# KiCad board poly_kb_wave_left.kicad_pcb (continued)
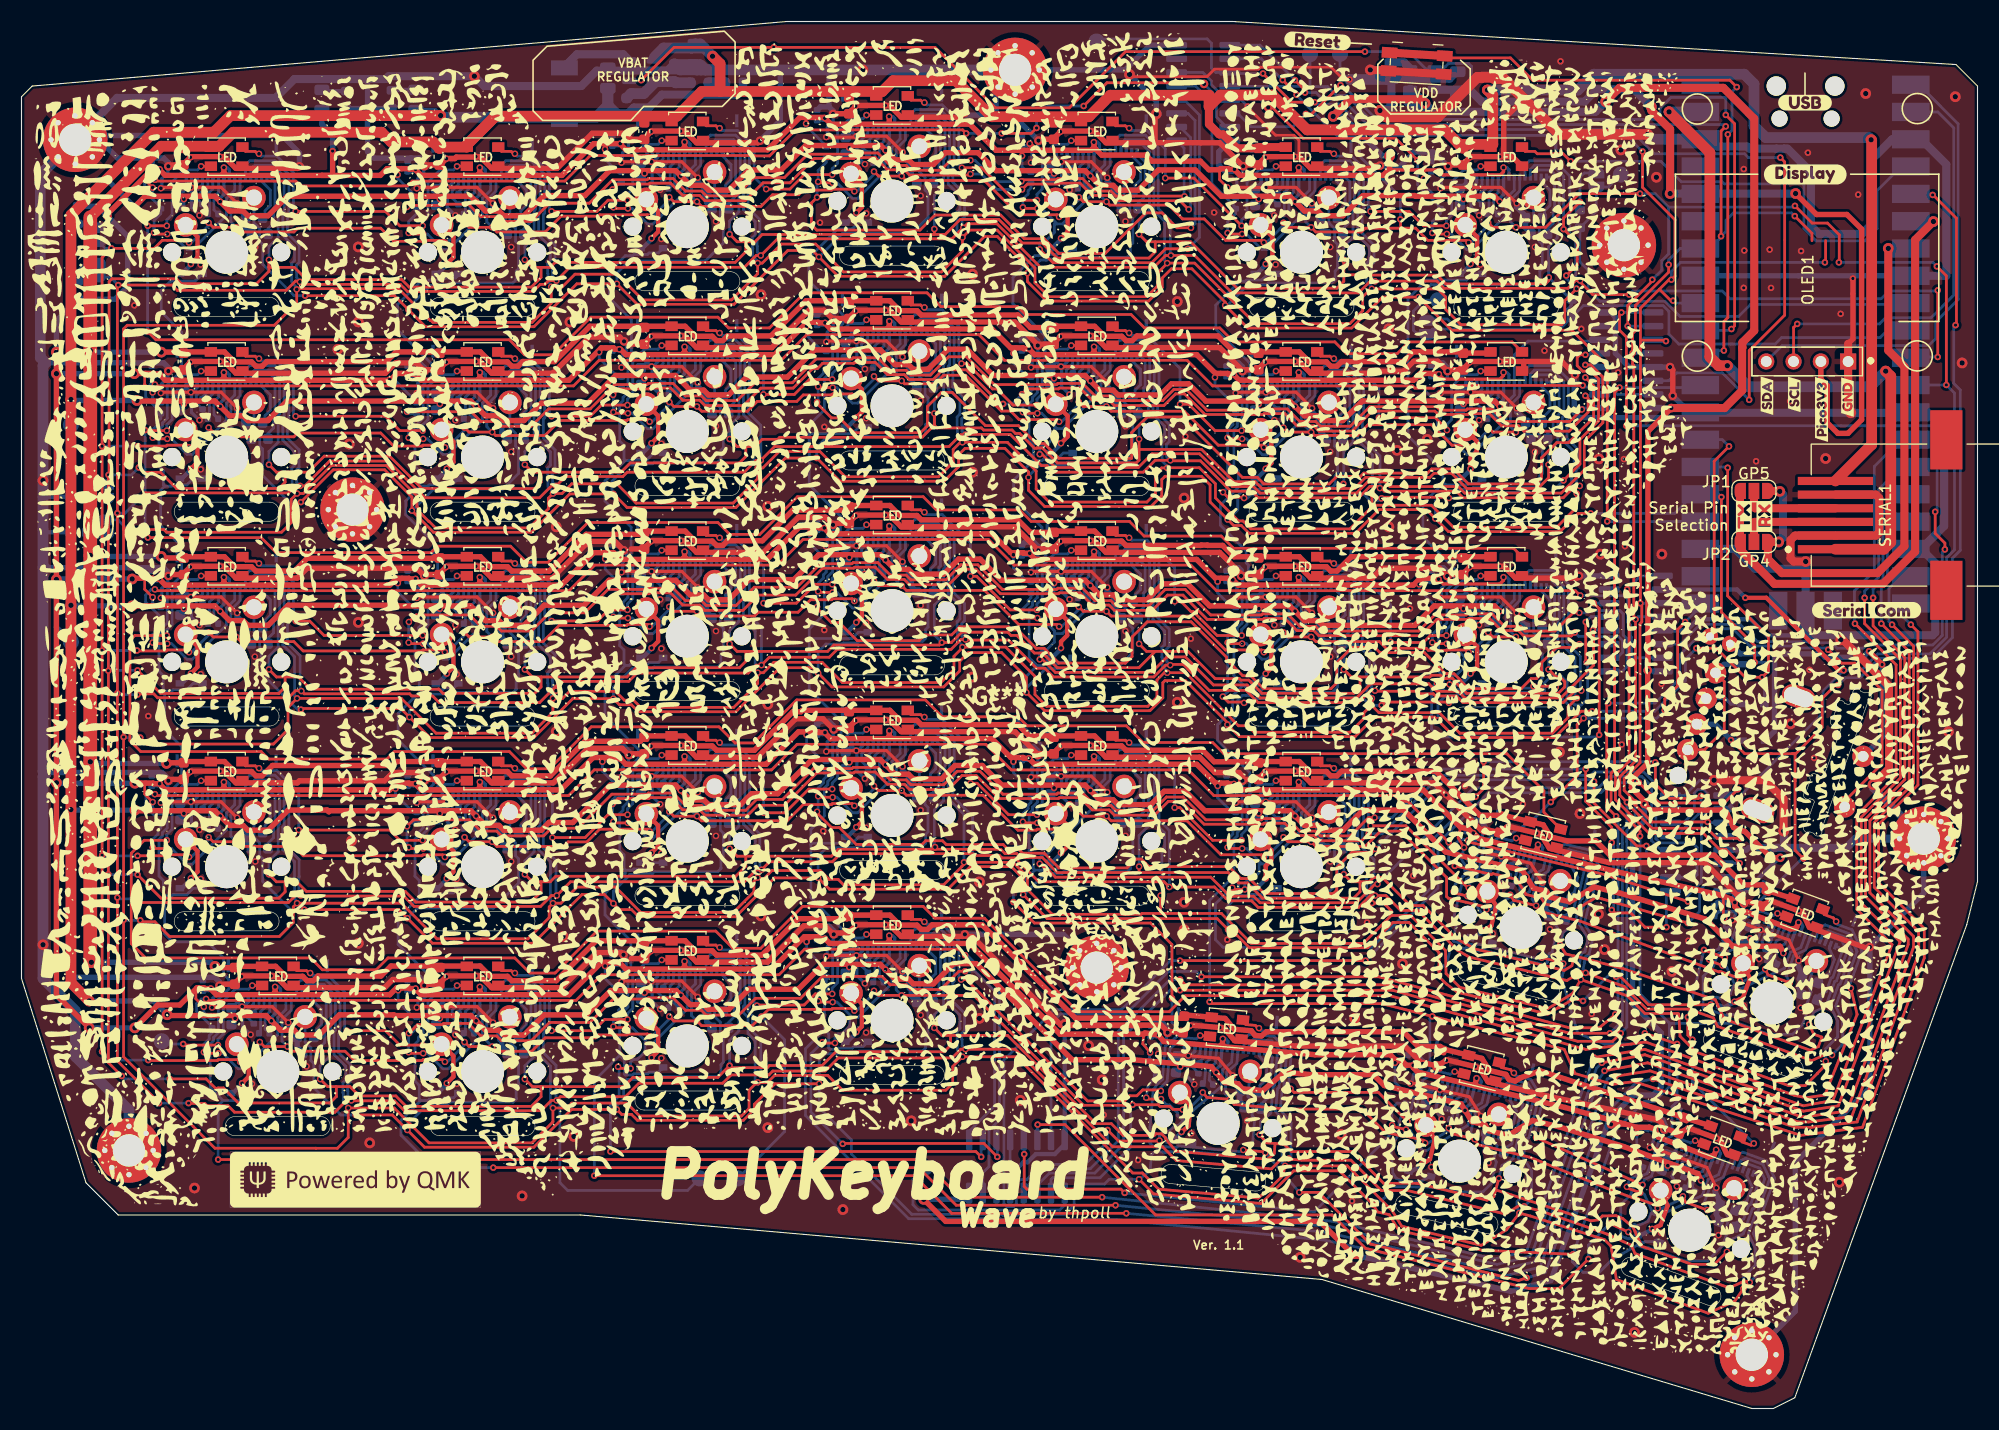
[diagram p0: board, top side]
## Routing (per net, layer and track width the routed paths; a pad name or vN(x,y) marks a point on that pad's centre or on a via; arc(x,y) is an arc through that point) (continued)
SR_DATA: length 77.7
  Top w0.254: v4(119.51,120.41) 120.05,120.41 122.73,123.08 v4(122.73,123.08) ; v4(158.58,120.32) 159.4,119.49 159.4,100.7 v4(159.1,100.4)
  Bottom w0.254: U1.31 158.97,100.27 v4(159.1,100.4) ; v4(119.51,120.41) 118.32,119.22 114.39,119.22 113.16,120.46 U4.14 ; v4(158.58,120.32) 158.58,121.83 158.46,121.94 153.48,121.94 152.47,120.94 152.47,120.26 152.12,119.9 126.08,119.9 122.9,123.08 v4(122.73,123.08) 122.68,123.13 TP10.1
SR_LATCH: length 241.3
  Top w0.254: v4(158.14,109.03) 158.14,118.81 v4(158.58,119.25) ; v4(153.26,106.39) 153.26,105.69 150.16,102.59 150.16,100.24 149.91,99.99 v4(149.91,98.16) ; v4(159.96,53.04) 157.75,53.04 156.83,53.97 151.71,53.97 149.56,56.12 149.56,56.2 v4(149.38,56.38) 148.72,57.05 148.72,58.75 150.18,60.22 v4(150.18,73.4) 150.02,73.55 150.02,97.03 149.91,97.14 v4(149.91,98.16) ; v4(147.8,34.9) 144.05,34.9 127.3,39.4 108.3,39.4 v4(107.8,39.9) ; v4(149.91,98.16) 149.93,98.18 ; 166.6,108.62 166.6,109.3 v4(165,110.9)
  Bottom w0.254: 119.99,122.95 121.53,122.95 122.34,122.13 123.27,122.13 125.99,119.42 158.41,119.42 v4(158.58,119.25) ; 119.99,122.95 119.96,122.98 119.18,122.98 119.18,122.97 112.46,122.97 U4.12 ; 119.99,122.95 119.89,123.05 TP6.1 ; v4(149.38,56.38) 149.38,54.33 148.96,53.91 148.96,52.55 148.96,52.55 148.96,36.06 v4(147.8,34.9) ; U6.12 150.42,73.63 v4(150.18,73.4) ; v4(153.26,106.39) 153.26,106.83 154.32,107.89 U1.34 158.14,108.92 v4(158.14,109.03) 158.6,109.49 158.6,110.5 159.3,111.2 164.7,111.2 v4(165,110.9) ; U7.12 158.56,53.04 v4(159.96,53.04) ; v4(149.91,98.16) 149.94,98.13 151.8,98.13 ; v4(107.8,39.9) 106.87,39.9 102.05,35.08 102.05,24.9 99.44,22.3 95.2,22.3 93.26,20.35 U8.12
VSYS: length 67.8
  Top w1: SERIAL1.1 173.28,79.92 173.93,80.57 173.93,96.01 v1(173.46,96.48) ; v1(158.72,96.99) 157.91,96.99 157.1,97.8 157.1,116.8 v1(153.3,120.6)
  Bottom w1: v1(153.3,120.6) 153.31,120.59 U1.39 ; v1(173.46,96.48) 172,95.03 160.69,95.03 v1(158.72,96.99)
Net-(C1-Pad1): length 1.8
  Bottom w0.25: JP5.1 7.71,84.8 C1.1 6.07,84.81
Net-(C2-Pad1): length 1.4
  Bottom w0.254: C2.1 7.48,81.49
Net-(C11-Pad2): length 8.2
  Bottom w0.75: 57.9,122.3 58.83,123.24 U2.5
  Bottom w1: R11.1 60.86,123.3 R12.2 59.01,123.42 57.9,122.3 56.72,122.3 C11.2
Net-(D5-Pad1): length 2.3
  Bottom w0.4: R5.2 28.06,122.53 D5.1
Net-(D6-Pad1): length 2.3
  Bottom w0.4: R6.2 34.49,122.64 D6.1
Net-(D10-Pad1): length 12.7
  Top w0.254: ENC1.A 158.44,67.61 158.44,63.11 156.59,61.26 ENC1.A
  Bottom w0.5: D10.1 158.41,69.21 ENC1.A
Net-(D11-Pad1): length 3.5
  Bottom w0.3: D11.1 159.05,65.52 158.53,66.04 ENC1.B
Net-(D12-Pad2): length 33.2
  Top w0.5: v4(171.91,70.43) 171.91,70.41 v4(173.13,69.19)
  Bottom w0.5: v4(173.13,69.19) 173.13,62.43 ENC1.S2 ; ENC1.S2 159.92,70.19 163.25,70.19 ; 163.25,70.19 167.5,70.19 167.82,69.87 171.34,69.87 v4(171.91,70.43) ; 163.25,70.19 163.11,70.04 163.11,62.99 D12.2
Net-(L1-Pad1): length 6.4
  Bottom w0.75: U2.3 55.99,125.95 51.68,125.95 50.8,125.07
Net-(R1-Pad2): length 2.1
  Bottom w0.25: R1.2 5.53,110.17
  Bottom w0.254: R1.2 5.34,110.08 7.09,110.08
Net-(R4-Pad2): length 3.2
  Bottom w0.254: 5.29,104.86 R4.2 5.25,105.82 5.82,106.39 6.6,106.39 6.74,106.53 JP4.1
Net-(R10-Pad1): length 1.6
  Bottom w1: 65.47,123.3 63.92,123.3
Net-(R13-Pad1): length 2.2
  Bottom w0.75: R13.1 128.65,125.2 U3.3
Net-(TP7-Pad1): length 54.6
  Bottom w0.254: TP7.1 130.53,103.08 129.51,102.07 129.51,100.29 129.77,100.04 130.3,100.04 130.44,99.89 JP8.2 131.28,100.39 143.14,100.39 145.33,102.58 152.75,102.58 153.28,102.04 153.28,99.93 154.21,99 159.02,99 ; 159.02,99 163.17,99 163.77,99.6 172.94,99.6 173.61,100.27 U1.10 ; 159.02,99 159.25,99
Net-(TP9-Pad1): length 44.2
  Bottom w0.25: 147.44,102.98 147.14,102.98 ; 147.44,102.98 152.91,102.98 154.32,101.57 159.77,101.57 160.88,102.68 174.76,102.68 U1.9 ; 147.44,102.98 146.86,102.98 146.86,103.01 145.77,104.1 145.77,105.88 145.01,106.64 R2.1
  Bottom w0.254: TP9.1 147.66,113.61 JP7.2 146.53,111.34 R2.1

## Copper pours and planes (outline as drawn; the poured copper is in the pictures)
GND on Top: -15.01,-8.17 200.89,-8.17 200.89,139.15 -15.01,139.15
GND on Bottom: 204.7,-4.36 -11.2,-4.36 -11.2,142.96 204.7,142.96

## Text on the board
B.Silkscreen: R1 | D1 | C3 | C6 | C5 | C1 | C4 | LED OUT | L1 | C11 | C12 | U2 | R12 | R11 | C10 | R10 | R13 | C14 | U3 | C13 | GND | 26 | 22 | x | D11 | D10 | D12 | C2 | 8 | DispPort | 16 | U8 | U4 | U5 | U6 | A | U7 | C | B | rp2040 Pico | .
User.Comments: CUT OUT
F.Silkscreen: L | E | D | VBAT / REGULATOR | Ver. 1.1 | VDD / REGULATOR | GP5 | GP4 | by thpoll | Serial Pin / Selection | . | Wave | PolyKeyboard
